# Altium PCB RK_NVR_DEMO1_RK3588_LP4XD200P232SD8_V21_20211228_final_lint.PcbDoc (part 11 of 29)
Units mm, origin at the board's own origin, x right, y up, seen from the top; angles counter-clockwise.
Board outline 170.08 x 169.98 mm, 8 copper layers (TOP, L2-GND1, L3-POWER1, L4-S1, L5-GND2, L6-S2, L7-GND3, BOTTOM), stack 2.118 mm thick; 1650 components, 1119 nets, 6165 pads, 15417 vias.
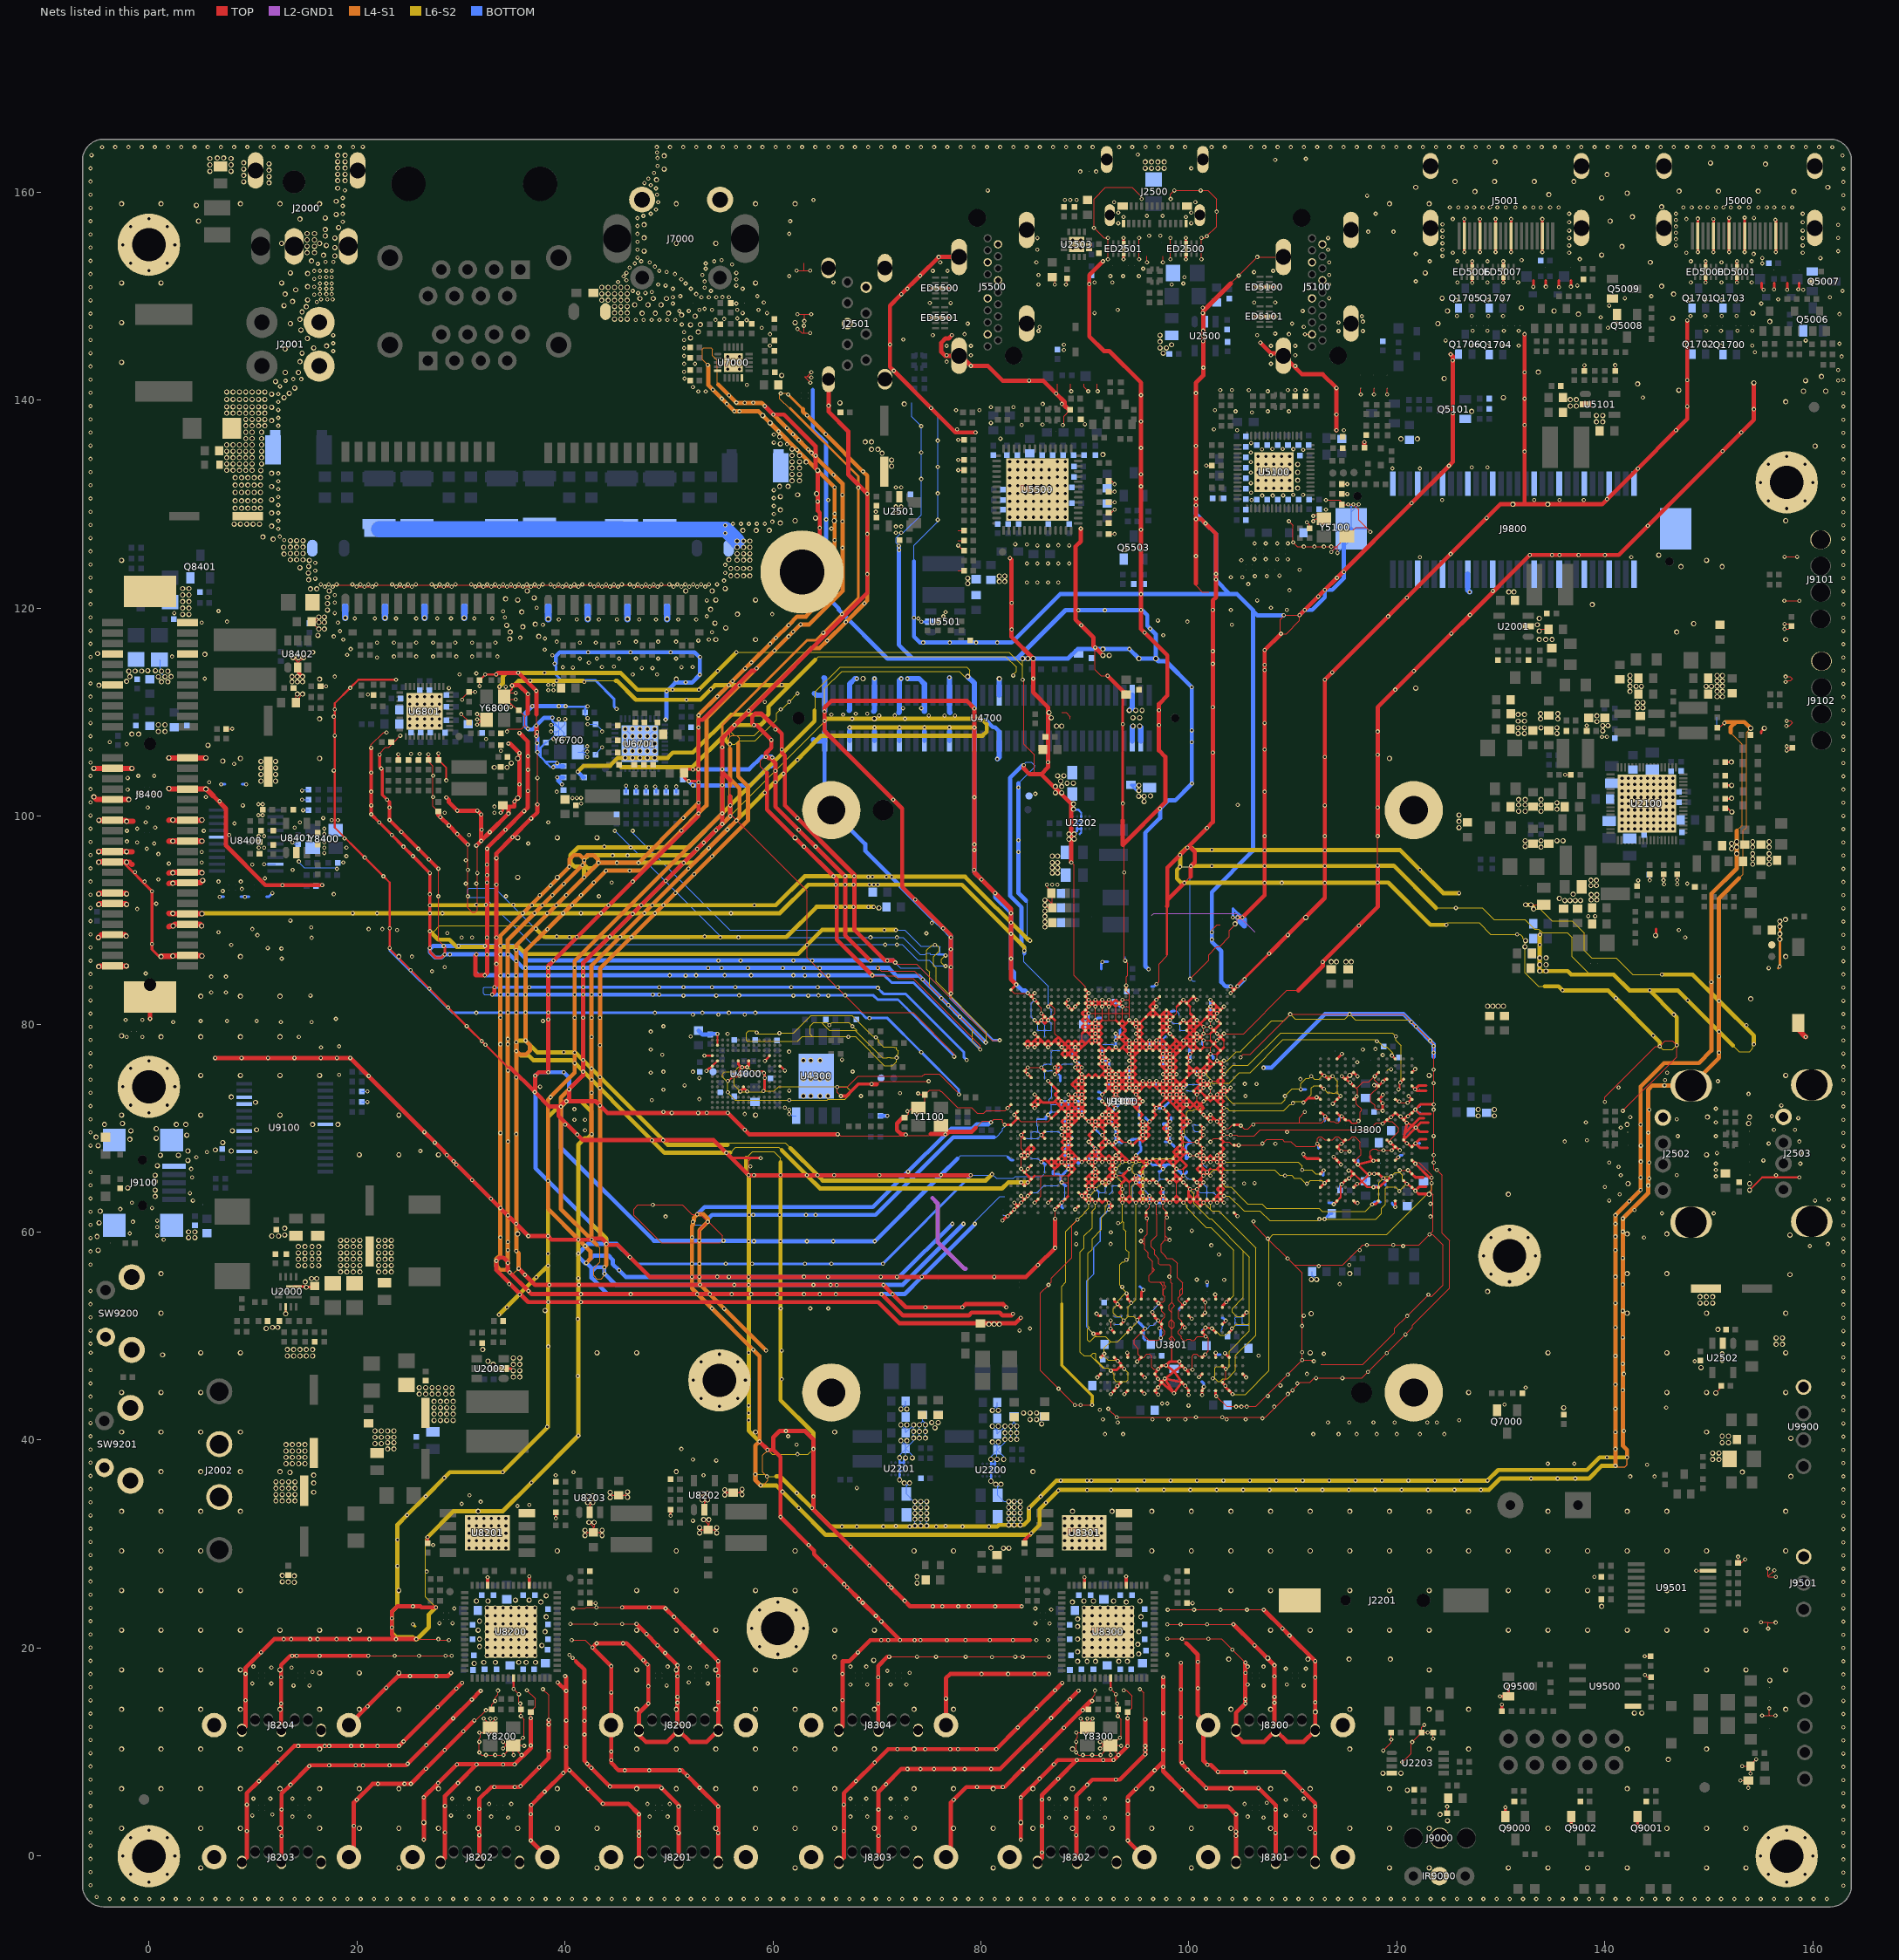
[diagram p17: the nets of this part, all layers, seen from the top]

## Via types
v1: diameter 0.4, hole 0.2, TOP to BOTTOM, 1688 vias
v2: diameter 0.4/0.4 (per signal layer), hole 0.2, TOP to L2-GND1, 1605 vias
v3: diameter 0/0/0/0/0/0/0/0.4 (per signal layer), hole 0.2, TOP to BOTTOM, 1253 vias
v4: diameter 0.4/0/0/0/0/0/0/0 (per signal layer), hole 0.2, TOP to BOTTOM, 1253 vias
v5: diameter 0.5, hole 0.3, TOP to BOTTOM, 857 vias
v6: diameter 0.4/0.4/0.4/0.4/0.4 (per signal layer), hole 0.2, L4-S1 to BOTTOM, 836 vias
v7: diameter 0/0/0/0/0/0/0/0.5 (per signal layer), hole 0.3, TOP to BOTTOM, 772 vias
v8: diameter 0.5/0/0/0/0/0/0/0 (per signal layer), hole 0.3, TOP to BOTTOM, 772 vias
v9: diameter 0.5/0.5 (per signal layer), hole 0.3, TOP to L2-GND1, 766 vias
v10: diameter 0.4/0.4 (per signal layer), hole 0.2, L7-GND3 to BOTTOM, 611 vias
v11: diameter 0.4/0.4/0.4/0.4 (per signal layer), hole 0.2, L5-GND2 to BOTTOM, 579 vias
v12: diameter 0.4 (per signal layer), hole 0.2, L6-S2 to L6-S2, 535 vias
v13: diameter 0.5/0.5/0.5/0.5/0.5 (per signal layer), hole 0.3, L4-S1 to BOTTOM, 457 vias
v14: diameter 0.5/0.5/0.5/0.5 (per signal layer), hole 0.3, L5-GND2 to BOTTOM, 455 vias
v15: diameter 0.4 (per signal layer), hole 0.2, L5-GND2 to L5-GND2, 418 vias
v16: diameter 0.5/0.5/0.5 (per signal layer), hole 0.3, TOP to L3-POWER1, 306 vias
v17: diameter 0.4 (per signal layer), hole 0.2, L4-S1 to L4-S1, 300 vias
v18: diameter 0.4/0.4/0.4 (per signal layer), hole 0.2, TOP to L3-POWER1, 287 vias
v19: diameter 0.5 (per signal layer), hole 0.3, L3-POWER1 to L3-POWER1, 242 vias
v20: diameter 0.5 (per signal layer), hole 0.3, L4-S1 to L4-S1, 240 vias
v21: diameter 0.5/0.5 (per signal layer), hole 0.3, L7-GND3 to BOTTOM, 192 vias
v22: diameter 0.5 (per signal layer), hole 0.3, L6-S2 to L6-S2, 166 vias
v23: diameter 0.4/0.4/0.4/0.4/0.4 (per signal layer), hole 0.2, TOP to L5-GND2, 134 vias
v24: diameter 0.5 (per signal layer), hole 0.3, L5-GND2 to L5-GND2, 114 vias
v25: diameter 0.5/0.5 (per signal layer), hole 0.3, L3-POWER1 to L4-S1, 111 vias
v26: diameter 0.4 (per signal layer), hole 0.2, L3-POWER1 to L3-POWER1, 93 vias
v27: diameter 0.4/0.4 (per signal layer), hole 0.2, L4-S1 to L5-GND2, 59 vias
v28: diameter 0.4/0.4/0/0/0.4/0/0.4/0.4 (per signal layer), hole 0.2, TOP to BOTTOM, 56 vias
v29: diameter 0.4/0/0/0.4/0/0/0/0.4 (per signal layer), hole 0.2, TOP to BOTTOM, 51 vias
v30: diameter 0.5/0.5 (per signal layer), hole 0.3, L4-S1 to L5-GND2, 46 vias
v31: diameter 0.4/0/0/0/0/0.4/0/0.4 (per signal layer), hole 0.2, TOP to BOTTOM, 42 vias
v32: diameter 0.5/0.5/0.5/0.5/0.5 (per signal layer), hole 0.3, TOP to L5-GND2, 32 vias
v33: diameter 0.4/0.4 (per signal layer), hole 0.2, L3-POWER1 to L4-S1, 29 vias
v34: diameter 0.4/0/0.4/0/0/0/0/0.4 (per signal layer), hole 0.2, TOP to BOTTOM, 29 vias
v35: diameter 0.4/0.4/0/0/0.4/0.4/0.4/0.4 (per signal layer), hole 0.2, TOP to BOTTOM, 21 vias
v36: diameter 0.5/0.5/0.5/0/0.5/0.5/0.5/0.5 (per signal layer), hole 0.3, TOP to BOTTOM, 4 vias
v37: diameter 0.5/0.5/0/0.5/0.5/0.5/0.5/0.5 (per signal layer), hole 0.3, TOP to BOTTOM, 3 vias
v38: diameter 0.4/0/0.4/0.4/0/0/0/0.4 (per signal layer), hole 0.2, TOP to BOTTOM, 2 vias
v39: diameter 0.4/0.4/0.4/0/0.4/0/0.4/0.4 (per signal layer), hole 0.2, TOP to BOTTOM, 1 vias

## Nets (pads, with @x,y where several pads share a name; then routed paths per layer and width w, separated by ;. In a path a pad name is that pad's centre, name@x,y a point inside that pad or via, vN(x,y) a via of type N, cw(c..) or ccw(c..) an arc to the next point about the centre after c; other vN are vias at no path point) (continued)
GND: (continued)
  TOP w0.254: J8400.B22@-2.519,95.6 v1(0.296,92.784) v1(0.296,87.704) 0.296,87.183 1.095,86.385 2.137,86.385 v16(2.303,86.551) ; U2000.2@13.953,54.767 15.061,54.767 v9(15.13,54.699) 15.816,54.699 C2010.2@15.935,54.818 ; v2(27.017,87.313) 27.017,86.941 27.56,86.398 28.134,86.398 v2(28.439,86.703) 28.439,87.414 v2(28.338,87.516) ; v2(33.824,100.318) 34.027,100.521 C6814.2@34.027,101.04 34.157,100.91 34.574,100.91 ; U2002.2@34.108,46.876 34.84,46.876 v9(35.043,46.673) ; v2(52.823,104.509) 52.798,104.483 v2(52.315,104.483) 51.792,104.483 C6709.2@51.463,104.154 51.463,103.709 51.807,103.366 v2(51.909,103.366) 52.747,103.366 v2(52.849,103.264) ; 56.024,67.12 57.929,67.12 v23(58.818,67.12) ; U4000.K8@56.204,74.969 56.533,74.969 56.583,75.019 v2(56.811,75.019) 56.8,75.03 56.8,75.618 v2(57.04,75.857) ; U4000.J5@56.668,76.469 56.668,76.147 56.916,75.887 57.017,75.882 v2(57.04,75.857) ; v2(56.859,73.518) 57.169,73.827 U4000.H10@57.169,73.874 ; U4000.H10@57.169,73.969 U4000.H10@57.169,73.874 ; v2(57.522,73.521) U4000.H10@57.169,73.874 ; U4000.G5@57.668,76.469 57.668,76.003 v2(57.522,75.857) v2(57.04,75.857) ; v2(59.097,73.571) 59.209,73.683 59.209,74.179 59.216,74.186 v2(59.216,74.823) 59.216,75.219 v2(59.136,75.299) ; v1(75.048,147.929) ED5501.3@75.695,147.929 ED5501.8@76.485,147.929 v1(77.131,147.929) ; v1(75.062,150.774) ED5500.3@75.695,150.774 ED5500.8@76.485,150.774 v1(77.118,150.774) ; v2(82.071,61.113) 82.49,61.531 v2(82.566,61.531) U1000.A34@82.891,61.856 v35(83.216,62.181) ; v2(82.287,70.32) 82.534,70.32 82.548,70.306 U1000.P34@82.891,70.306 U1000.R33@83.541,70.956 ; v2(82.566,71.931) U1000.U34@82.891,72.256 ; U1000.AP34@82.891,83.306 v2(83.399,83.814) ; v2(83.216,62.831) 83.541,62.506 v35(83.866,62.831) ; v35(83.216,71.281) U1000.R33@83.541,70.956 ; v2(83.866,63.48) U1000.C32@84.191,63.156 v35(84.516,63.481) ; v2(83.866,64.781) U1000.E32@84.191,64.456 v2(84.516,64.781) U1000.F31@84.841,65.106 ; v2(83.866,66.081) U1000.G32@84.191,65.756 ; U1000.N32@84.191,69.656 v2(83.866,69.331) U1000.M32@84.191,69.006 ; U1000.K32@84.191,67.705 84.515,68.031 ; v2(84.515,75.831) U1000.AB32@84.191,75.506 v2(84.516,75.181) U1000.AA31@84.841,74.856 ; 84.515,78.431 U1000.AF32@84.191,78.106 v2(84.515,77.781) U1000.AF31@84.841,78.106 ; 84.516,78.431 U1000.AF31@84.841,78.106 ; v2(84.516,82.981) U1000.AN31@84.841,82.656 ; U1000.H31@84.841,66.406 v2(84.515,66.081) U1000.G32@84.191,65.756 ; U1000.K31@84.841,67.705 v2(84.515,67.38) ; U1000.U31@84.841,72.256 U1000.U31@84.842,72.254 ; U1000.AF31@84.841,78.106 85.166,78.431 ; 85.155,65.42 U1000.F31@84.841,65.106 ; v2(85.166,62.831) U1000.C30@85.491,63.156 ; v2(85.166,73.231) U1000.V30@85.491,72.906 ; v2(85.166,79.081) U1000.AG30@85.491,78.756 ; v2(85.166,80.381) U1000.AJ30@85.491,80.056 v2(85.816,80.381) ; v2(85.165,82.981) U1000.AN31@84.841,82.656 ; U1000.AM30@85.491,82.006 v2(85.166,82.331) U1000.AN31@84.841,82.656 ; v2(85.816,66.73) U1000.J29@86.141,67.055 ; v2(85.816,75.831) U1000.AB29@86.141,75.506 ; v2(85.816,81.031) U1000.AK29@86.141,80.706 ; U1000.M29@86.141,69.006 v2(85.816,69.331) U1000.N29@86.141,69.656 ; U1000.J29@86.141,67.055 86.466,66.731 ; v2(86.466,62.831) U1000.C28@86.791,63.156 ; v2(86.466,74.531) U1000.Y28@86.791,74.206 ; v2(86.466,81.681) U1000.AM28@86.791,82.006 ; v2(86.467,71.28) U1000.R28@86.791,70.956 U1000.T27@87.441,71.606 87.766,71.931 ; U1000.Y28@86.791,74.206 86.793,74.206 87.117,73.882 U1000.W27@87.441,73.556 U1000.W27@87.441,73.556 87.441,73.553 87.117,73.23 U1000.V27@87.441,72.906 ; v2(87.116,62.181) U1000.B27@87.441,62.506 v2(87.766,62.831) U1000.C26@88.091,63.156 88.39,63.455 ; v2(87.116,75.181) U1000.AB27@87.441,75.506 ; 87.116,80.381 U1000.AK28@86.791,80.706 v2(86.466,80.381) ; U1000.J27@87.441,67.055 87.116,66.731 ; 87.766,67.381 88.091,67.056 ; U1000.R26@88.091,70.956 87.766,70.631 U1000.P26@88.091,70.306 ; U1000.R26@88.091,70.956 v2(88.416,71.281) ; U1000.AM26@88.091,82.006 v2(88.416,82.331) ; U1000.H26@88.091,66.406 v2(88.415,66.73) ; U1000.L26@88.091,68.356 88.416,68.031 ; U1000.N26@88.091,69.656 88.416,69.331 ; U1000.P26@88.091,70.306 v2(88.416,69.981) ; U1000.R26@88.091,70.956 v2(88.416,70.631) ; U1000.T26@88.091,71.606 v2(88.416,71.281) ; U1000.AM26@88.091,82.006 v2(88.416,81.681) U1000.AL25@88.74,81.356 ; 88.405,65.42 U1000.G25@88.74,65.756 ; v2(88.416,73.231) U1000.V25@88.74,72.906 ; U1000.H25@88.739,66.406 v2(88.415,66.73) ; U1000.J25@88.74,67.055 v2(88.415,66.73) ; U1000.L25@88.74,68.356 88.416,68.031 ; U1000.L25@88.74,68.356 v2(88.416,68.681) ; U1000.R25@88.74,70.956 v2(88.416,71.281) ; 88.741,74.206 89.066,73.881 ; U1000.AL25@88.74,81.356 v2(89.066,81.681) ; U1000.P25@88.74,70.306 89.077,70.642 ; U1000.T25@88.74,71.606 89.066,71.931 ; U1000.V25@88.74,72.906 v2(89.066,73.231) ; 88.741,74.206 89.066,74.531 U1000.Y24@89.391,74.206 v2(89.716,74.531) ; U1000.AD25@88.74,76.806 v2(89.066,76.481) ; 89.066,71.281 U1000.R24@89.391,70.956 ; 89.065,71.931 v2(88.415,72.581) ; 89.066,74.531 U1000.AA24@89.391,74.856 ; v2(89.066,62.181) U1000.B24@89.391,62.506 ; v2(89.066,81.681) U1000.AM24@89.391,82.006 ; v2(89.07,72.585) 88.42,71.935 ; U1000.D24@89.391,63.806 v2(89.716,63.481) ; U1000.J24@89.391,67.055 89.716,66.731 90.041,67.056 90.366,67.381 ; U1000.T24@89.391,71.606 v2(89.716,71.281) U1000.T23@90.04,71.606 ; U1000.AE24@89.391,77.456 89.716,77.781 U1000.AF24@89.391,78.106 ; 89.716,77.781 90.041,78.106 ; 89.716,79.08 U1000.AH23@90.041,79.405 ; U1000.T23@90.039,71.606 89.714,71.931 ; U1000.D23@90.041,63.806 v2(90.366,64.131) ; U1000.J23@90.041,67.055 v2(90.366,66.731) ; U1000.U23@90.041,72.256 U1000.U23@90.039,72.256 ; U1000.AL23@90.041,81.356 v2(90.366,81.681) ; U1000.AP23@90.041,83.306 v2(90.366,82.981) U1000.AN23@90.041,82.656 90.366,82.331 U1000.AM23@90.041,82.006 v2(90.366,81.681) ; v2(90.366,63.481) U1000.C23@90.041,63.156 ; U1000.C22@90.691,63.156 v2(90.366,62.831) U1000.C23@90.041,63.156 ; U1000.K22@90.691,67.705 v2(91.016,68.031) ; v2(91.015,78.431) U1000.AG22@90.691,78.756 ; v2(91.015,79.081) U1000.AH22@90.691,79.405 ; v2(91.016,64.131) U1000.E22@90.691,64.456 ; U1000.C21@91.341,63.156 v2(91.016,62.831) 90.691,63.156 v2(90.366,63.481) U1000.D23@90.041,63.806 v2(89.716,63.481) ; U1000.R21@91.341,70.956 v18(91.016,70.631) ; U1000.AJ21@91.341,80.056 v2(91.015,79.731) ; U1000.C21@91.341,63.156 91.666,62.83 U1000.C20@91.991,63.156 ; U1000.J21@91.341,67.055 v2(91.666,66.731) ; U1000.P21@91.341,70.306 v18(91.016,69.981) ; U1000.AF21@91.341,78.106 v2(91.015,78.431) ; 91.666,77.781 U1000.AE21@91.341,77.456 v2(91.666,77.131) ; 91.666,80.381 U1000.AJ21@91.341,80.056 ; v2(91.666,64.781) U1000.E20@91.991,64.456 v2(92.316,64.781) ; v2(91.666,66.731) U1000.J20@91.991,67.055 ; 91.666,70.631 U1000.P20@91.991,70.306 ; 91.666,70.631 U1000.P21@91.341,70.306 ; v2(91.666,72.581) U1000.U20@91.991,72.256 ; v2(91.666,73.231) U1000.W20@91.991,73.556 ; v2(91.666,76.481) U1000.AD20@91.991,76.806 v2(91.666,77.131) ; v2(91.666,77.131) U1000.AE20@91.991,77.456 91.666,77.781 U1000.AF21@91.341,78.106 91.666,78.431 U1000.AG21@91.341,78.756 ; v28(91.666,82.331) v2(91.016,81.681) U1000.AM22@90.691,82.006 ; U1000.R20@91.991,70.956 v2(91.664,71.281) ; U1000.J20@91.991,67.055 91.666,67.381 ; U1000.T20@91.991,71.606 91.988,71.606 v2(91.664,71.281) ; U1000.Y20@91.991,74.206 v2(92.316,74.531) ; U1000.C20@91.991,63.156 v2(92.316,62.831) 92.641,62.506 v2(92.316,62.181) ; U1000.F20@91.991,65.106 v2(92.316,64.781) ; U1000.M20@91.991,69.006 v2(92.316,68.681) ; U1000.R20@91.991,70.956 v2(92.316,70.631) ; U1000.W20@91.991,73.556 92.316,73.881 ; U1000.Y20@91.991,74.206 92.316,73.881 ; U1000.AA20@91.991,74.856 v2(92.316,74.531) ; U1000.AD20@91.991,76.806 v2(92.316,76.481) U1000.AC20@91.991,76.156 ; U1000.AE20@91.991,77.456 92.316,77.781 U1000.AE19@92.641,77.456 v2(92.966,77.781) U1000.AE18@93.291,77.456 93.615,77.781 ; v2(92.316,81.681) U1000.AM20@91.991,82.006 ; v2(92.316,82.331) U1000.AM20@91.991,82.006 ; v2(92.316,81.681) 92.966,82.331 U1000.AM18@93.291,82.006 ; v2(92.316,82.331) 92.966,81.681 U1000.AM18@93.291,82.006 ; v2(92.498,46.673) 92.574,46.749 93.064,46.749 U3801.W9@93.471,47.156 ; U1000.J19@92.641,67.055 92.316,67.38 U1000.J20@91.991,67.055 v2(92.316,66.731) ; U1000.L19@92.641,68.355 U1000.K18@93.291,67.705 ; U1000.R19@92.641,70.956 v2(92.314,71.283) ; U1000.U19@92.641,72.256 v2(92.966,71.931) ; U1000.Y19@92.641,74.206 v2(92.316,74.531) ; U1000.P19@92.641,70.306 v2(92.966,69.981) ; U1000.R19@92.641,70.956 92.966,70.631 ; U3801.Y12@92.821,44.756 v28(93.121,45.206) U3801.W11@93.471,45.556 ; U3801.Y1@92.821,53.556 92.821,53.406 v35(93.146,53.081) ; v2(92.966,67.381) U1000.J18@93.291,67.055 ; v2(92.966,78.431) U1000.AG18@93.291,78.756 ; v2(92.966,79.081) U1000.AG18@93.291,78.756 ; 92.965,80.381 U1000.AJ18@93.291,80.056 ; v35(93.162,47.616) 93.471,47.306 U3801.W9@93.471,47.156 ; U1000.R18@93.291,70.956 92.966,70.631 ; U1000.R18@93.291,70.956 92.966,71.281 ; U1000.T18@93.291,71.606 92.966,71.281 ; 93.615,68.681 U1000.M18@93.291,69.006 ; v2(93.616,81.681) U1000.AM18@93.291,82.006 ; v2(93.616,82.331) U1000.AM18@93.291,82.006 ; 93.641,99.606 v2(93.641,101.218) v2(93.641,108.838) 93.641,111.378 C4700.2@93.971,111.708 ; v1(93.715,153.551) 93.73,153.566 ED2501.8@93.73,154.177 ED2501.3@93.73,154.967 93.73,155.578 v1(93.715,155.593) ; v2(93.784,46.841) 93.471,47.154 U3801.W9@93.471,47.156 ; U1000.Y17@93.941,74.206 v2(94.265,74.531) ; U1000.AP17@93.941,83.306 93.971,83.336 v2(93.971,83.706) ; U3801.V1@94.121,53.556 94.454,53.204 v2(94.454,53.201) ; v2(94.266,78.431) 93.944,78.752 ; v2(94.266,66.081) 93.616,65.431 93.941,65.106 ; v2(94.266,68.681) U1000.L16@94.591,68.356 94.916,68.681 U1000.M15@95.241,69.006 ; v2(94.265,74.531) U1000.AA17@93.941,74.856 ; U1000.Y16@94.591,74.206 v2(94.265,74.531) ; U1000.AA16@94.591,74.856 v2(94.265,74.531) ; U1000.J16@94.591,67.055 v2(94.266,66.731) 93.937,67.06 ; U1000.Y16@94.591,74.206 v2(94.915,73.881) ; U1000.AJ16@94.591,80.056 v2(94.915,79.731) ; 94.915,76.48 U1000.AC16@94.591,76.156 ; 94.915,76.481 U1000.AD16@94.591,76.806 v2(94.266,76.48) U1000.AC16@94.591,76.156 ; v2(94.915,80.381) U1000.AJ16@94.591,80.056 v2(94.266,80.381) 93.914,80.029 ; v2(94.915,64.781) U1000.F15@95.241,65.106 v2(94.915,65.43) U1000.F16@94.591,65.106 ; v2(94.915,78.431) U1000.AF15@95.241,78.106 ; v2(94.915,80.381) U1000.AJ15@95.241,80.056 ; U1000.C15@95.241,63.156 v2(94.915,62.831) U1000.C16@94.591,63.156 ; U1000.C15@95.241,63.157 v2(95.565,63.481) ; U1000.J15@95.241,67.055 v2(94.916,67.381) U1000.J16@94.591,67.055 v2(94.915,66.731) U1000.J15@95.241,67.055 95.565,66.73 ; U1000.N15@95.241,69.656 v2(95.565,69.981) ; U1000.P15@95.241,70.306 v2(95.565,70.631) ; U1000.R15@95.241,70.956 95.565,71.281 U1000.T15@95.241,71.606 ; U1000.T15@95.241,71.606 94.906,71.941 ; U1000.Y15@95.241,74.206 95.241,74.2 95.563,73.878 ; U1000.C15@95.241,63.156 v2(95.565,62.831) U1000.C14@95.89,63.156 ; 95.241,64.456 v2(95.565,64.781) ; U1000.F15@95.241,65.106 v2(95.565,64.781) ; U1000.N15@95.241,69.656 v18(95.565,69.331) ; U1000.P15@95.241,70.306 v2(95.565,69.981) ; U1000.R15@95.241,70.956 v2(95.565,70.631) ; v2(95.565,65.43) U1000.G15@95.241,65.756 95.565,66.081 U1000.H14@95.891,66.406 ; 95.565,77.781 U1000.AF15@95.241,78.106 ; 95.565,80.381 U1000.AJ15@95.241,80.056 ; 95.566,80.381 U1000.AK14@95.891,80.706 ; U1000.A14@95.891,61.856 95.891,61.409 95.949,61.35 v2(95.949,61.329) ; U1000.AK14@95.891,80.706 96.215,81.031 ; v2(96.215,77.781) U1000.AF14@95.891,78.106 ; v2(96.486,52.312) 96.486,52.191 U3801.P3@96.721,51.956 96.721,51.806 97.024,51.503 v28(97.037,51.503) ; U1000.R13@96.541,70.956 v18(96.216,70.631) U1000.P14@95.891,70.306 ; U1000.R13@96.541,70.956 96.865,71.281 U1000.T13@96.541,71.606 ; U1000.U13@96.541,72.256 v2(96.866,71.93) ; U1000.Y13@96.541,74.206 v2(96.865,74.531) U1000.Y12@97.191,74.206 96.866,73.88 ; U1000.T13@96.541,71.606 v2(96.866,71.93) ; U3801.P12@96.721,44.756 96.721,44.71 v2(97.045,44.387) ; U3801.P1@96.721,53.556 96.721,53.517 v28(97.067,53.171) ; 96.865,77.781 U1000.AF13@96.541,78.106 ; v28(97.031,45.897) U3801.P10@96.721,46.356 v28(97.046,46.831) v28@97.037,46.822 ; v28(97.036,45.076) 97.035,45.078 U3801.N11@97.371,45.556 ; v2(97.172,50.762) 97.371,50.962 U3801.N4@97.371,51.156 ; U1000.C12@97.191,63.156 v2(96.865,62.831) U1000.C13@96.541,63.156 ; U1000.AN12@97.191,82.656 v2(96.866,82.331) 96.525,81.99 ; U3801.N9@97.371,47.156 97.781,47.156 v2(97.807,47.181) ; 97.515,66.73 U1000.H12@97.191,66.406 ; v2(97.516,66.081) U1000.H12@97.191,66.406 ; U1000.AA11@97.841,74.856 v2(97.515,74.531) ; U1000.AC11@97.841,76.156 97.515,75.831 ; U1000.AF11@97.841,78.106 97.515,78.431 ; U1000.AH11@97.841,79.405 97.515,79.731 ; U1000.AJ11@97.841,80.056 97.515,80.381 ; U1000.AK11@97.841,80.706 97.515,81.031 ; U1000.AL11@97.841,81.356 97.515,81.031 ; U1000.A11@97.841,61.856 97.841,61.44 v2(97.879,61.401) ; U1000.C11@97.841,63.156 v2(98.165,62.831) ; U1000.F11@97.841,65.106 v2(98.165,64.781) ; U1000.Y11@97.841,74.206 v2(98.165,74.531) ; U1000.AL11@97.842,81.356 98.166,81.031 ; v18(98.166,69.33) U1000.M11@97.841,69.006 v2(98.166,68.682) ; v2@98.165,76.481 U1000.AC11@97.841,76.156 ; 98.165,77.781 98.49,78.106 ; v2(98.165,62.831) U1000.C10@98.491,63.156 ; v2(98.165,64.781) U1000.F10@98.491,65.106 98.815,65.431 ; v18(98.166,69.33) U1000.N11@97.841,69.656 ; U1000.H10@98.491,66.406 98.166,66.73 ; U1000.AK10@98.491,80.706 v2(98.165,80.381) ; U1000.F10@98.491,65.106 98.815,64.781 U1000.F9@99.141,65.106 ; U1000.V10@98.491,72.906 98.816,72.581 ; U1000.W10@98.491,73.556 v2(98.815,73.231) ; U1000.W10@98.491,73.556 v2(98.815,73.881) ; U1000.Y10@98.491,74.206 v2(98.815,73.881) ; U1000.AA10@98.491,74.856 98.815,74.531 ; U1000.AD10@98.491,76.806 98.815,76.481 98.491,76.156 98.815,75.831 U1000.AB10@98.491,75.506 v2(98.815,75.181) U1000.AA10@98.491,74.856 ; U1000.AK10@98.491,80.706 98.166,81.031 ; 98.815,63.48 U1000.C10@98.491,63.156 98.815,62.831 U1000.C9@99.141,63.156 ; 98.815,63.481 U1000.C9@99.141,63.156 ; 98.815,77.78 98.49,77.455 ; 98.816,78.43 99.141,78.105 ; 98.816,68.03 98.492,67.705 98.816,67.381 ; 98.823,81.688 U1000.AM9@99.141,82.006 v2(99.466,82.331) U1000.AM8@99.791,82.006 100.116,81.681 ; U1000.L9@99.141,68.355 98.816,68.03 U1000.K9@99.141,67.705 ; U1000.R9@99.141,70.956 99.465,70.631 ; U1000.R9@99.141,70.956 99.465,71.281 ; U1000.W9@99.141,73.556 v2(99.465,73.231) ; U1000.Y9@99.141,74.206 v2(99.465,73.881) ; U1000.AJ9@99.141,80.056 v2(99.465,80.381) U1000.AJ8@99.791,80.056 ; 99.458,66.081 99.787,66.41 99.141,67.056 ; v2(99.466,65.43) U1000.F9@99.141,65.106 ; 99.465,67.38 99.141,67.056 ; 99.465,68.031 U1000.K8@99.791,67.705 ; v28(99.606,53.172) 99.971,53.537 U3801.J1@99.971,53.556 ; v28(99.646,45.231) U3801.J12@99.971,44.756 ; v28(99.646,46.831) 99.672,46.805 99.971,46.506 U3801.J10@99.971,46.356 ; v1(99.715,153.551) 99.724,153.56 ED2500.8@99.724,154.177 ED2500.3@99.724,154.967 99.724,155.584 v1(99.715,155.593) ; U1000.R8@99.791,70.956 v2(100.115,70.631) U1000.P8@99.791,70.306 ; U1000.AD8@99.791,76.806 v2(100.115,76.481) 99.791,76.156 100.115,75.831 ; U1000.AD8@99.791,76.806 v2(100.115,77.131) U1000.AE7@100.44,77.456 ; U1000.AF8@99.791,78.106 100.115,78.431 ; U1000.AM8@99.791,82.006 U1000.AN7@100.44,82.656 v2(100.765,82.331) ; v2(100.115,67.381) U1000.K8@99.791,67.705 99.465,67.381 U1000.K9@99.141,67.705 ; 100.116,81.031 U1000.AK7@100.44,80.706 ; 100.116,79.081 100.441,79.405 ; U1000.F7@100.44,65.106 v2(100.765,64.781) ; 100.765,62.831 U1000.C7@100.44,63.156 ; 100.765,77.781 U1000.AF7@100.44,78.106 ; 100.766,79.73 100.441,79.405 ; 100.849,63.564 U1000.C7@100.44,63.156 ; U1000.AB6@101.091,75.506 v2(100.765,75.181) ; U1000.AE6@101.091,77.456 100.765,77.781 U1000.AE7@100.44,77.456 ; U1000.E6@101.091,64.456 v2(101.416,64.781) ; U1000.J6@101.091,67.055 v2(101.416,67.381) ; U1000.M6@101.091,69.006 v2(100.766,68.681) U1000.L6@101.091,68.356 v2(101.416,68.031) ; U1000.M6@101.091,69.006 v2(101.416,69.331) U1000.N6@101.091,69.656 v2(101.416,69.981) U1000.P6@101.091,70.306 ; U1000.Y6@101.091,74.206 v2(101.416,73.881) ; U1000.AE6@101.091,77.456 101.416,77.781 ; U3801.G12@101.271,44.756 v2(101.439,45.123) ; U3801.G5@101.271,50.356 101.595,50.785 v2(101.591,50.813) 101.595,50.816 v35(102.221,50.731) ; v2(101.415,79.731) 101.09,80.056 ; v2(101.416,64.781) 101.217,64.98 101.21,64.98 101.087,65.102 ; v2@101.416,65.432 101.74,65.756 v2(102.066,65.431) ; v2(101.416,66.731) U1000.H6@101.091,66.406 ; v2(101.416,68.031) U1000.K6@101.091,67.705 ; v2(101.416,74.531) U1000.Y6@101.091,74.206 ; v2(101.416,78.431) U1000.AG6@101.091,78.756 ; v2(101.417,79.081) U1000.AG6@101.091,78.756 ; U1000.AD5@101.741,76.806 102.066,76.481 ; U1000.AD5@101.741,76.806 v2(102.066,77.131) ; 102.065,66.081 v2(101.74,65.756) 101.416,66.081 ; v2(102.066,73.88) U1000.Y5@101.741,74.206 ; v2(102.066,74.531) U1000.Y5@101.741,74.206 ; 102.066,78.431 U1000.AF4@102.391,78.106 v2(102.716,78.431) U1000.AG3@103.04,78.756 ; 102.066,79.08 U1000.AH4@102.391,79.405 ; 102.066,75.831 U1000.AC4@102.391,76.156 ; v2(102.066,79.73) U1000.AH4@102.391,79.405 ; v2(102.066,82.331) U1000.AM4@102.391,82.006 ; U1000.AF4@102.391,78.106 U1000.AE3@103.041,77.456 ; U1000.AL4@102.391,81.356 102.066,81.031 ; U1000.C4@102.391,63.156 v2(102.716,62.831) U1000.C3@103.041,63.156 ; U1000.J4@102.391,67.055 v2(102.716,66.731) ; U1000.AL4@102.391,81.356 102.716,81.681 ; v2@102.715,70.631 102.39,70.956 ; 102.716,77.131 U1000.AE3@103.041,77.456 ; U1000.E3@103.041,64.456 v2(103.366,64.781) U1000.F3@103.041,65.106 v2(103.366,65.431) U1000.G3@103.041,65.756 ; U1000.L3@103.041,68.356 103.379,68.018 103.066,67.705 U1000.K3@103.041,67.705 ; U1000.L3@103.041,68.356 103.366,68.681 U1000.M3@103.041,69.006 v2(103.366,69.331) U1000.N3@103.041,69.656 v2(103.366,69.981) U1000.P3@103.041,70.306 ; U1000.R3@103.041,70.956 v2(103.366,71.281) U1000.T3@103.041,71.606 ; U1000.T3@103.041,71.606 v2(103.366,71.931) U1000.U3@103.041,72.256 ; U1000.Y3@103.041,74.206 v2(103.366,73.881) ; U1000.AL3@103.041,81.356 v2(103.366,81.681) ; U3801.D11@103.221,45.556 103.512,45.266 v2(103.512,45.215) 103.512,45.115 U3801.C12@103.871,44.756 ; v2(103.366,62.831) U1000.C3@103.041,63.156 ; v2(103.366,76.481) U1000.AC3@103.041,76.156 ; v2(103.366,79.08) U1000.AG3@103.041,78.756 ; 103.369,77.784 U1000.AE3@103.041,77.456 ; 103.369,78.427 U1000.AG3@103.041,78.756 ; v35(103.585,53.27) U3801.C1@103.871,53.556 ; v2(104.016,73.881) U1000.W2@103.691,73.556 ; v2(104.016,82.981) U1000.AP1@104.341,83.306 ; v2(104.016,83.631) U1000.AP1@104.341,83.306 ; U1000.A1@104.341,61.856 v2(104.666,61.531) ; U1000.L1@104.341,68.356 v2(104.788,68.356) ; U1000.P1@104.341,70.306 104.926,70.306 v2(104.991,70.24) ; v1(106.24,148.031) ED5101.3@106.886,148.031 ED5101.8@107.676,148.031 v1(108.322,148.031) ; v1(106.24,150.876) ED5100.3@106.886,150.876 ED5100.8@107.676,150.876 v1(108.322,150.876) ; v2(107.719,86.774) 104.666,83.72 v2(104.666,83.631) U1000.AP1@104.341,83.306 ; v2(111.015,72.454) 111.447,72.886 112.209,72.886 v2(112.285,72.962) 112.435,72.962 U3800.G1@112.641,72.757 ; v2(112.356,68.491) U3800.P1@112.641,68.206 ; U3800.Y1@112.641,64.306 112.966,64.632 112.972,64.632 v35(113.047,64.707) ; U3800.V1@112.641,65.606 v2(112.965,65.931) ; U3800.J1@112.641,71.457 112.791,71.457 v28(113.116,71.131) ; U3800.E1@112.641,74.056 112.921,73.776 v2(112.972,73.776) ; U3800.C1@112.641,75.356 112.966,75.031 v35(113.018,75.031) U3800.D2@113.441,74.706 v2(113.809,74.994) ; v2(113.909,67.238) U3800.T3@114.241,66.906 ; U3800.J3@114.241,71.457 114.566,71.131 v28(114.69,71.131) ; U3800.G3@114.241,72.757 v2(114.572,73.088) ; U3800.A3@114.241,76.656 v2(114.717,77.133) ; v2(114.647,67.78) U3800.P3@114.241,68.206 v28(114.674,68.49) ; v2(114.698,74.994) U3800.D4@115.041,74.706 ; U3800.W4@115.041,64.956 v2(115.404,65.169) U3800.V5@115.841,65.606 115.547,65.901 115.409,65.901 115.384,65.926 v2(115.358,65.926) ; U3800.AB5@115.841,63.006 116.045,62.802 v2(116.222,62.802) ; U3800.Y5@115.841,64.306 v2(116.168,64.634) ; U3800.T5@115.841,66.906 v2(116.242,66.505) v28(117.746,66.866) ; U3800.G5@115.841,72.757 116.095,73.011 v2(116.134,73.05) ; U3800.E5@115.841,74.056 v2(115.499,74.398) U3800.D4@115.041,74.706 ;